# KiCad board rabbit_mask.kicad_pcb (continued)
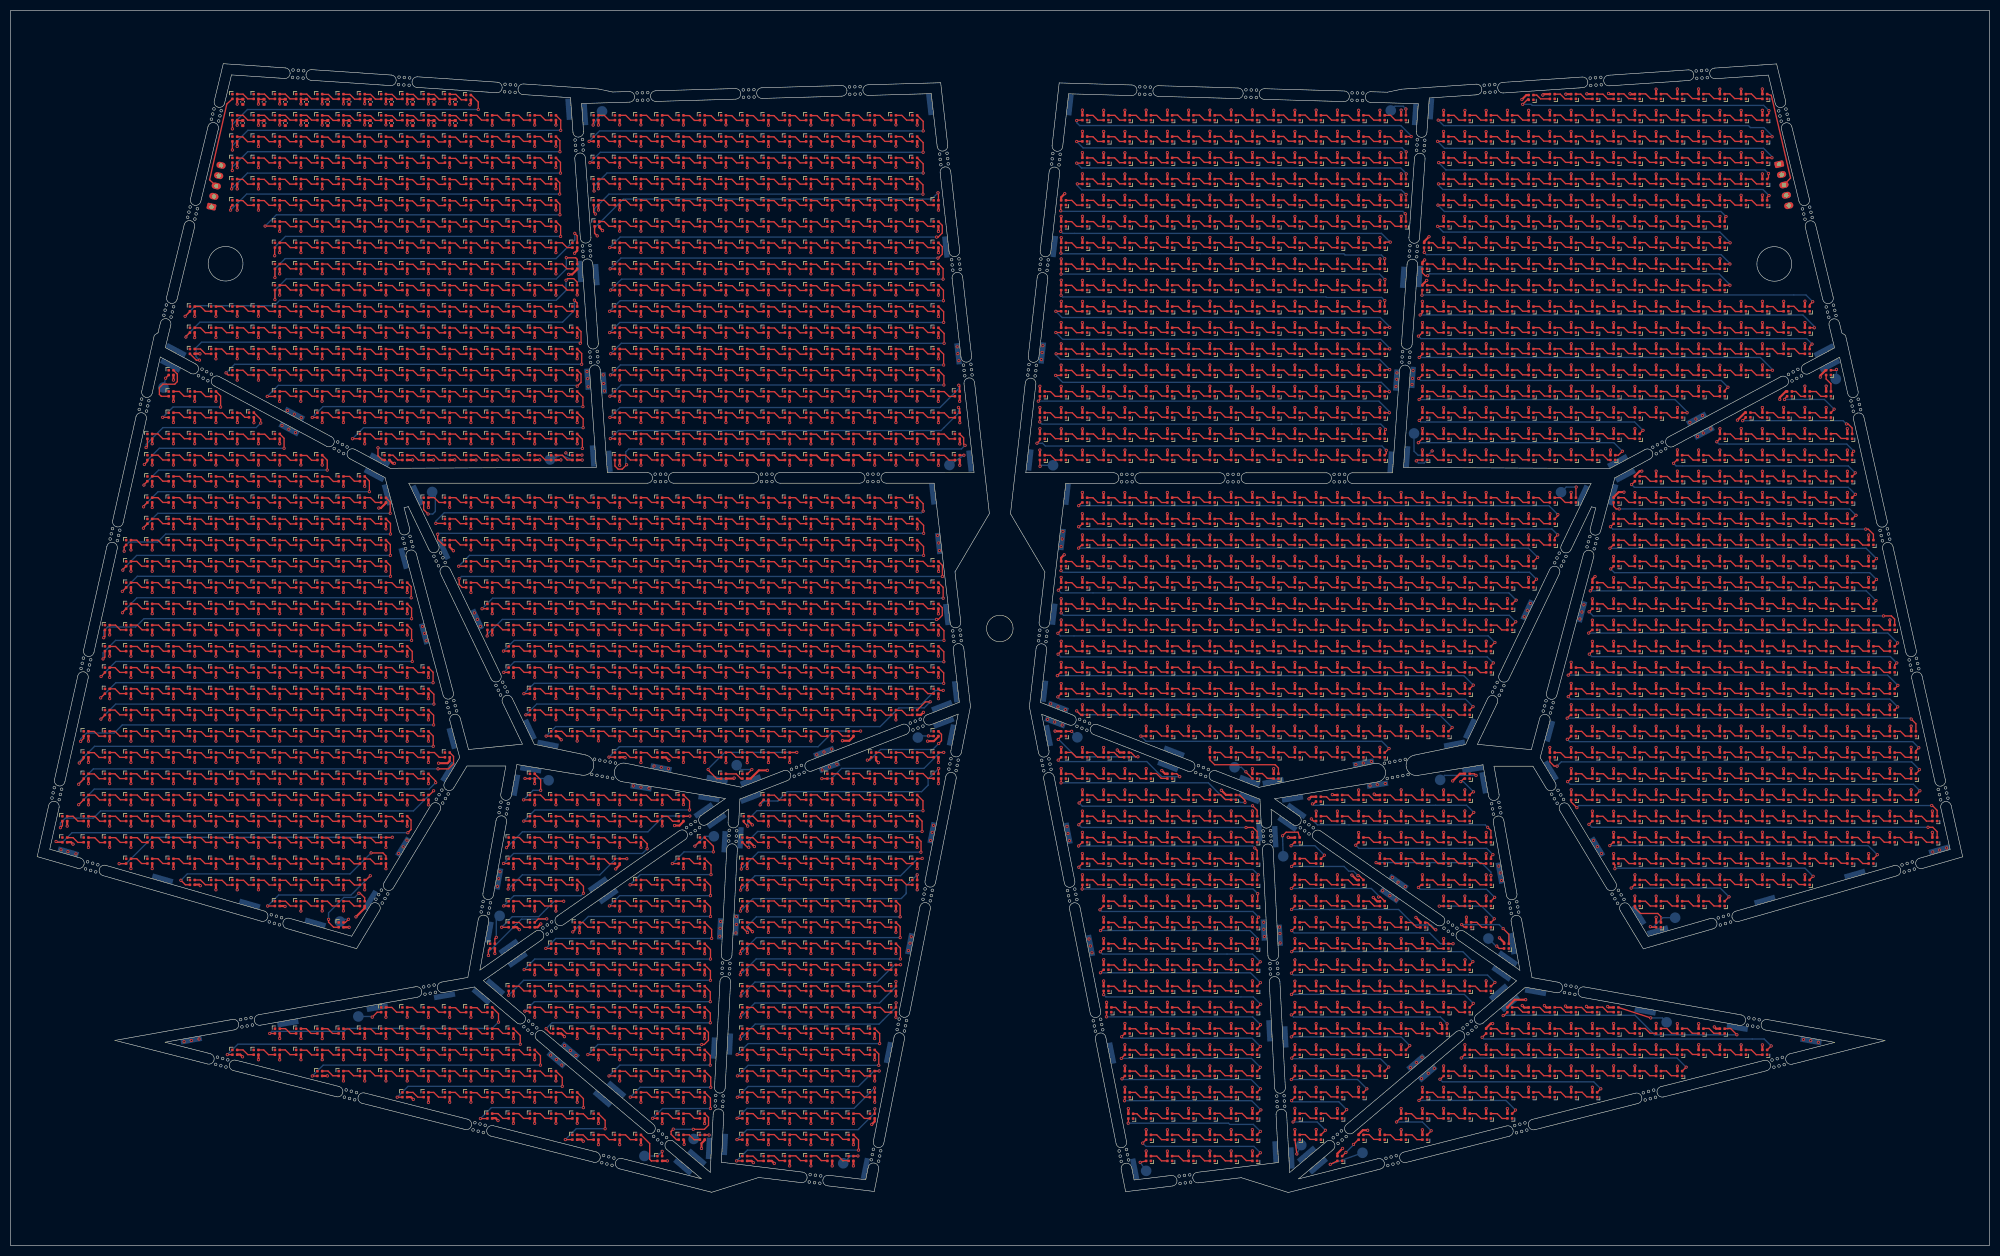
[diagram p0: board, top side]
## Routing (per net, layer and track width the routed paths; a pad name or vN(x,y) marks a point on that pad's centre or on a via; arc(x,y) is an arc through that point) (continued)
Net-(D1983-DIN): length 3.5
  Top w0.25: 286.7,156.85 287.8,156.85 288.7,155.95 289.8,155.95
Net-(D1984-DIN): length 3.5
  Top w0.25: 293.8,155.95 292.7,155.95 291.8,156.85 290.7,156.85
Net-(D1985-DIN): length 3.5
  Top w0.25: 297.7,155.95 296.6,155.95 295.7,156.85 294.6,156.85
Net-(D1986-DIN): length 3.5
  Top w0.25: 298.65,156.85 299.75,156.85 300.65,155.95 301.75,155.95
Net-(D1987-DIN): length 3.5
  Top w0.25: 305.65,155.95 304.55,155.95 303.65,156.85 302.55,156.85
Net-(D1988-DIN): length 3.5
  Top w0.25: 306.6,156.85 307.7,156.85 308.6,155.95 309.7,155.95
Net-(D1989-DIN): length 3.5
  Top w0.25: 310.65,156.8 311.75,156.8 312.65,155.9 313.75,155.9
Net-(D1991-DIN): length 2.4
  Top w0.25: 327.74,156.8 328.33,156.8 329.24,155.9 329.74,155.9
Net-(D1991-DOUT): length 23.2
  Top w0.25: D2030.1 346.65,153.92 345.88,154.69 v1(345.57,154.69) ; D1991.3 326.6,155.89 v1(326.02,155.31)
  Bottom w0.25: v1(326.02,155.31) 344.95,155.31 v1(345.57,154.69)
Net-(D1992-DIN): length 3.5
  Top w0.25: 330.74,156.8 331.84,156.8 332.74,155.9 333.84,155.9
Net-(D1993-DIN): length 3.5
  Top w0.25: 337.84,155.9 336.74,155.9 335.84,156.8 334.74,156.8
Net-(D1994-DIN): length 3.5
  Top w0.25: 341.74,155.9 340.64,155.9 339.74,156.8 338.64,156.8
Net-(D1996-DIN): length 3.5
  Top w0.25: D1996.1 195.75,152.81 196.65,151.91 D1997.3
Net-(D1996-DOUT): length 68.4
  Top w0.25: v1(258.95,149.74) 258.95,149.11 D2047.1 ; v1(193.2,151.06) 193.75,151.61 D1996.3
  Bottom w0.25: v1(193.2,151.06) 194.25,151.06 194.77,150.54 258.15,150.54 v1(258.95,149.74)
Net-(D1997-DIN): length 3.5
  Top w0.25: 198.75,152.81 199.85,152.81 200.75,151.91 201.85,151.91
Net-(D1998-DIN): length 3.5
  Top w0.25: 205.85,151.91 204.75,151.91 203.85,152.81 202.75,152.81
Net-(D1999-DIN): length 3.5
  Top w0.25: D1999.1 207.75,152.81 208.65,151.91 D2000.3
Net-(D2000-DIN): length 3.5
  Top w0.25: 213.7,151.96 212.6,151.96 211.7,152.86 210.6,152.86
Net-(D2001-DIN): length 3.5
  Top w0.25: 214.7,152.86 215.8,152.86 216.7,151.96 217.8,151.96
Net-(D2002-DIN): length 3.5
  Top w0.25: 218.7,152.86 219.8,152.86 220.7,151.96 221.8,151.96
Net-(D2003-DIN): length 3.5
  Top w0.25: 222.6,152.86 223.7,152.86 224.6,151.96 225.7,151.96
Net-(D2004-DIN): length 3.5
  Top w0.25: 226.65,152.86 227.75,152.86 228.65,151.96 229.75,151.96
Net-(D2005-DIN): length 3.5
  Top w0.25: 233.65,151.96 232.55,151.96 231.65,152.86 230.55,152.86
Net-(D2006-DIN): length 3.5
  Top w0.25: 234.6,152.86 235.7,152.86 236.6,151.96 237.7,151.96
Net-(D2007-DIN): length 3.5
  Top w0.25: D2007.1 239.75,152.81 240.65,151.91 D2008.3
Net-(D2008-DIN): length 3.5
  Top w0.25: 242.7,152.81 243.8,152.81 244.7,151.91 245.8,151.91
Net-(D2009-DIN): length 3.5
  Top w0.25: 249.7,151.91 248.6,151.91 247.7,152.81 246.6,152.81
Net-(D2010-DIN): length 3.5
  Top w0.25: D2010.1 251.75,152.81 252.65,151.91 D2011.3
Net-(D2011-DIN): length 3.5
  Top w0.25: 257.75,151.93 256.65,151.93 255.75,152.83 254.65,152.83
Net-(D2013-DIN): length 3.5
  Top w0.25: 266.65,152.8 267.75,152.8 268.65,151.9 269.75,151.9
Net-(D2013-DOUT): length 41.8
  Top w0.25: D2057.1 302.65,148.81 v1(303.4,149.56) ; v1(264.97,151.16) 265.72,151.91 D2013.3
  Bottom w0.25: v1(303.4,149.56) 301.8,151.16 v1(264.97,151.16)
Net-(D2014-DIN): length 3.5
  Top w0.25: 273.85,151.9 272.75,151.9 271.85,152.8 270.75,152.8
Net-(D2015-DIN): length 3.5
  Top w0.25: 274.75,152.8 275.85,152.8 276.75,151.9 277.85,151.9
Net-(D2016-DIN): length 3.5
  Top w0.25: 278.65,152.8 279.75,152.8 280.65,151.9 281.75,151.9
Net-(D2017-DIN): length 3.5
  Top w0.25: 285.7,151.95 284.6,151.95 283.7,152.85 282.6,152.85
Net-(D2018-DIN): length 3.5
  Top w0.25: 289.8,151.95 288.7,151.95 287.8,152.85 286.7,152.85
Net-(D2019-DIN): length 3.5
  Top w0.25: 293.8,151.95 292.7,151.95 291.8,152.85 290.7,152.85
Net-(D2020-DIN): length 3.5
  Top w0.25: 297.7,151.95 296.6,151.95 295.7,152.85 294.6,152.85
Net-(D2021-DIN): length 3.5
  Top w0.25: 298.65,152.85 299.75,152.85 300.65,151.95 301.75,151.95
Net-(D2022-DIN): length 3.5
  Top w0.25: 305.65,151.95 304.55,151.95 303.65,152.85 302.55,152.85
Net-(D2024-DIN): length 3.5
  Top w0.25: 325.75,151.9 324.65,151.9 323.75,152.8 322.65,152.8
Net-(D2024-DOUT): length 28.2
  Top w0.25: v1(346.93,149.56) 346.65,149.29 D2066.1 ; v1(321.18,151.34) D2024.3
  Bottom w0.25: v1(321.18,151.34) 321.6,150.91 345.63,150.91 346.93,149.62 v1(346.93,149.56)
Net-(D2025-DIN): length 3.5
  Top w0.25: 329.74,151.91 328.64,151.91 327.74,152.81 326.64,152.81
Net-(D2026-DIN): length 3.5
  Top w0.25: 333.84,151.91 332.74,151.91 331.84,152.81 330.74,152.81
Net-(D2027-DIN): length 3.5
  Top w0.25: 337.84,151.91 336.74,151.91 335.84,152.81 334.74,152.81
Net-(D2028-DIN): length 3.5
  Top w0.25: 338.64,152.81 339.74,152.81 340.64,151.91 341.74,151.91
Net-(D2029-DIN): length 3.5
  Top w0.25: 345.69,151.96 344.59,151.96 343.69,152.86 342.59,152.86
Net-(D2031-DIN): length 3.5
  Top w0.25: 197.74,147.9 196.64,147.9 195.74,148.8 194.64,148.8
Net-(D2032-DIN): length 3.5
  Top w0.25: 198.74,148.8 199.84,148.8 200.74,147.9 201.84,147.9
Net-(D2033-DIN): length 3.5
  Top w0.25: 205.84,147.9 204.74,147.9 203.84,148.8 202.74,148.8
Net-(D2034-DIN): length 3.5
  Top w0.25: 209.74,147.9 208.64,147.9 207.74,148.8 206.64,148.8
Net-(D2035-DIN): length 3.5
  Top w0.25: 213.69,147.95 212.59,147.95 211.69,148.85 210.59,148.85
Net-(D2036-DIN): length 3.5
  Top w0.25: 214.69,148.85 215.79,148.85 216.69,147.95 217.79,147.95
Net-(D2037-DIN): length 3.5
  Top w0.25: 221.79,147.95 220.69,147.95 219.79,148.85 218.69,148.85
Net-(D2038-DIN): length 3.5
  Top w0.25: 225.69,147.95 224.59,147.95 223.69,148.85 222.59,148.85
Net-(D2039-DIN): length 3.5
  Top w0.25: 226.64,148.85 227.74,148.85 228.64,147.95 229.74,147.95
Net-(D2040-DIN): length 3.5
  Top w0.25: 230.54,148.85 231.64,148.85 232.54,147.95 233.64,147.95
Net-(D2041-DIN): length 3.5
  Top w0.25: 234.59,148.85 235.69,148.85 236.59,147.95 237.69,147.95
Net-(D2042-DIN): length 3.5
  Top w0.25: 238.64,148.8 239.74,148.8 240.64,147.9 241.74,147.9
Net-(D2043-DIN): length 3.5
  Top w0.25: 245.79,147.9 244.69,147.9 243.79,148.8 242.69,148.8
Net-(D2044-DIN): length 3.5
  Top w0.25: 246.59,148.8 247.69,148.8 248.59,147.9 249.69,147.9
Net-(D2045-DIN): length 3.5
  Top w0.25: 253.74,147.9 252.64,147.9 251.74,148.8 250.64,148.8
Net-(D2046-DIN): length 3.5
  Top w0.25: 254.64,148.82 255.74,148.82 256.64,147.92 257.74,147.92
Net-(D2048-DIN): length 3.5
  Top w0.25: 266.65,148.79 267.75,148.79 268.65,147.89 269.75,147.89
Net-(D2049-DIN): length 3.5
  Top w0.25: 270.75,148.79 271.85,148.79 272.75,147.89 273.85,147.89
Net-(D2050-DIN): length 3.5
  Top w0.25: 274.75,148.79 275.85,148.79 276.75,147.89 277.85,147.89
Net-(D2051-DIN): length 3.5
  Top w0.25: 281.75,147.89 280.65,147.89 279.75,148.79 278.65,148.79
Net-(D2052-DIN): length 3.5
  Top w0.25: 282.6,148.84 283.7,148.84 284.6,147.94 285.7,147.94
Net-(D2053-DIN): length 3.5
  Top w0.25: 289.8,147.94 288.7,147.94 287.8,148.84 286.7,148.84
Net-(D2054-DIN): length 3.5
  Top w0.25: 290.7,148.84 291.8,148.84 292.7,147.94 293.8,147.94
Net-(D2055-DIN): length 3.5
  Top w0.25: 297.7,147.94 296.6,147.94 295.7,148.84 294.6,148.84
Net-(D2056-DIN): length 2.9
  Top w0.25: D2057.3 300.68,147.91 299.75,148.84 298.65,148.84
Net-(D2058-DIN): length 3.5
  Top w0.25: 317.8,147.89 316.7,147.89 315.8,148.79 314.7,148.79
Net-(D2058-DOUT): length 36.8
  Top w0.25: D2077.1 347.22,145.39 v1(347.22,145.49) ; D2058.3 313.65,147.91 v1(313.02,147.29)
  Bottom w0.25: v1(313.02,147.29) 313.52,146.79 345.93,146.79 v1(347.22,145.49)
Net-(D2059-DIN): length 3.5
  Top w0.25: 318.6,148.79 319.7,148.79 320.6,147.89 321.7,147.89
Net-(D2060-DIN): length 3.5
  Top w0.25: 322.65,148.79 323.75,148.79 324.65,147.89 325.75,147.89
Net-(D2061-DIN): length 3.5
  Top w0.25: 326.64,148.82 327.74,148.82 328.64,147.92 329.74,147.92
Net-(D2062-DIN): length 3.5
  Top w0.25: 330.74,148.82 331.84,148.82 332.74,147.92 333.84,147.92
Net-(D2063-DIN): length 3.5
  Top w0.25: 334.74,148.82 335.84,148.82 336.74,147.92 337.84,147.92
Net-(D2064-DIN): length 3.5
  Top w0.25: 341.74,147.92 340.64,147.92 339.74,148.82 338.64,148.82
Net-(D2065-DIN): length 3.5
  Top w0.25: 345.69,147.97 344.59,147.97 343.69,148.87 342.59,148.87
Net-(D2067-DIN): length 3.5
  Top w0.25: 306.65,144.8 307.75,144.8 308.65,143.9 309.75,143.9
Net-(D2067-DOUT): length 44.6
  Top w0.25: D2113.1 346.65,140.84 v1(347.25,141.44) ; v1(305.12,143.29) D2067.3
  Bottom w0.25: v1(305.12,143.29) 305.65,142.76 345.93,142.76 v1(347.25,141.44)
Net-(D2068-DIN): length 3.5
  Top w0.25: 313.85,143.9 312.75,143.9 311.85,144.8 310.75,144.8
Net-(D2069-DIN): length 3.5
  Top w0.25: 317.85,143.9 316.75,143.9 315.85,144.8 314.75,144.8
Net-(D2070-DIN): length 3.5
  Top w0.25: 321.75,143.9 320.65,143.9 319.75,144.8 318.65,144.8
Net-(D2071-DIN): length 3.5
  Top w0.25: 322.6,144.85 323.7,144.85 324.6,143.95 325.7,143.95
Net-(D2072-DIN): length 3.5
  Top w0.25: 326.7,144.85 327.8,144.85 328.7,143.95 329.8,143.95
Net-(D2073-DIN): length 3.5
  Top w0.25: 333.8,143.95 332.7,143.95 331.8,144.85 330.7,144.85
Net-(D2074-DIN): length 3.5
  Top w0.25: 334.6,144.85 335.7,144.85 336.6,143.95 337.7,143.95
Net-(D2075-DIN): length 3.5
  Top w0.25: 341.75,143.95 340.65,143.95 339.75,144.85 338.65,144.85
Net-(D2076-DIN): length 3.5
  Top w0.25: 342.55,144.85 343.65,144.85 344.55,143.95 345.65,143.95
Net-(D2078-DIN): length 3.5
  Top w0.25: 205.74,139.9 204.64,139.9 203.74,140.8 202.64,140.8
Net-(D2078-DOUT): length 92.9
  Top w0.25: D2078.3 201.65,139.91 v1(201.05,139.31) ; v1(291.25,137.64) 291.25,137.41 D2136.1
  Bottom w0.25: v1(291.25,137.64) 289.57,139.31 v1(201.05,139.31)
Net-(D2079-DIN): length 3.5
  Top w0.25: 206.74,140.8 207.84,140.8 208.74,139.9 209.84,139.9
Net-(D2080-DIN): length 3.5
  Top w0.25: 210.74,140.8 211.84,140.8 212.74,139.9 213.84,139.9
Net-(D2081-DIN): length 3.5
  Top w0.25: 217.74,139.9 216.64,139.9 215.74,140.8 214.64,140.8
Net-(D2082-DIN): length 3.5
  Top w0.25: 221.69,139.95 220.59,139.95 219.69,140.85 218.59,140.85
Net-(D2083-DIN): length 3.5
  Top w0.25: 222.69,140.85 223.79,140.85 224.69,139.95 225.79,139.95
Net-(D2084-DIN): length 3.5
  Top w0.25: 226.69,140.85 227.79,140.85 228.69,139.95 229.79,139.95
Net-(D2085-DIN): length 3.5
  Top w0.25: 230.59,140.85 231.69,140.85 232.59,139.95 233.69,139.95
Net-(D2086-DIN): length 3.5
  Top w0.25: 234.64,140.85 235.74,140.85 236.64,139.95 237.74,139.95
Net-(D2087-DIN): length 3.5
  Top w0.25: 241.64,139.95 240.54,139.95 239.64,140.85 238.54,140.85
Net-(D2088-DIN): length 3.5
  Top w0.25: 245.69,139.95 244.59,139.95 243.69,140.85 242.59,140.85
Net-(D2089-DIN): length 3.5
  Top w0.25: 249.74,139.9 248.64,139.9 247.74,140.8 246.64,140.8
Net-(D2090-DIN): length 3.5
  Top w0.25: 250.69,140.8 251.79,140.8 252.69,139.9 253.79,139.9
Net-(D2091-DIN): length 3.5
  Top w0.25: 257.69,139.9 256.59,139.9 255.69,140.8 254.59,140.8
Net-(D2092-DIN): length 3.5
  Top w0.25: 258.64,140.8 259.74,140.8 260.64,139.9 261.74,139.9
Net-(D2093-DIN): length 3.5
  Top w0.25: D2094.3 264.65,139.91 263.75,140.81 D2093.1
Net-(D2094-DIN): length 3.5
  Top w0.25: 269.8,139.91 268.7,139.91 267.8,140.81 266.7,140.81
Net-(D2095-DIN): length 3.5
  Top w0.25: 270.6,140.81 271.7,140.81 272.6,139.91 273.7,139.91
Net-(D2096-DIN): length 3.5
  Top w0.25: D2096.1 275.75,140.81 276.65,139.91 D2097.3
Net-(D2097-DIN): length 3.5
  Top w0.25: 278.64,140.81 279.74,140.81 280.64,139.91 281.74,139.91
Net-(D2098-DIN): length 3.5
  Top w0.25: 282.69,140.81 283.79,140.81 284.69,139.91 285.79,139.91
Net-(D2099-DIN): length 3.5
  Top w0.25: 289.69,139.91 288.59,139.91 287.69,140.81 286.59,140.81
Net-(D2100-DIN): length 3.5
  Top w0.25: 293.74,139.91 292.64,139.91 291.74,140.81 290.64,140.81
Net-(D2102-DIN): length 3.5
  Top w0.25: 305.74,139.91 304.64,139.91 303.74,140.81 302.64,140.81
Net-(D2102-DOUT): length 48.1
  Top w0.25: D2102.3 301.75,139.16 302.22,138.69 v1(302.8,138.69) ; v1(347.38,137.49) 347.32,137.49 D2148.1
  Bottom w0.25: v1(302.8,138.69) 346.18,138.69 v1(347.38,137.49)
Net-(D2103-DIN): length 3.5
  Top w0.25: 309.84,139.91 308.74,139.91 307.84,140.81 306.74,140.81
Net-(D2104-DIN): length 3.5
  Top w0.25: 313.84,139.91 312.74,139.91 311.84,140.81 310.74,140.81
Net-(D2105-DIN): length 3.5
  Top w0.25: 314.64,140.81 315.74,140.81 316.64,139.91 317.74,139.91
Net-(D2106-DIN): length 3.5
  Top w0.25: 321.69,139.96 320.59,139.96 319.69,140.86 318.59,140.86
Net-(D2107-DIN): length 3.5
  Top w0.25: 325.79,139.96 324.69,139.96 323.79,140.86 322.69,140.86
Net-(D2108-DIN): length 3.5
  Top w0.25: 326.69,140.86 327.79,140.86 328.69,139.96 329.79,139.96
Net-(D2109-DIN): length 3.5
  Top w0.25: 333.69,139.96 332.59,139.96 331.69,140.86 330.59,140.86
Net-(D2110-DIN): length 3.5
  Top w0.25: 334.64,140.86 335.74,140.86 336.64,139.96 337.74,139.96
Net-(D2111-DIN): length 3.5
  Top w0.25: 341.64,139.96 340.54,139.96 339.64,140.86 338.54,140.86
Net-(D2112-DIN): length 3.5
  Top w0.25: 342.59,140.86 343.69,140.86 344.59,139.96 345.69,139.96
Net-(D2114-DIN): length 3.5
  Top w0.25: 205.74,135.9 204.64,135.9 203.74,136.8 202.64,136.8
Net-(D2114-DOUT): length 93
  Top w0.25: D2114.3 201.17,135.34 v1(201.02,135.34) ; v1(291.22,133.81) 290.65,133.24 D2171.1
  Bottom w0.25: v1(201.02,135.34) 201.45,134.91 290.12,134.91 v1(291.22,133.81)
Net-(D2115-DIN): length 3.5
  Top w0.25: 206.74,136.8 207.84,136.8 208.74,135.9 209.84,135.9
Net-(D2116-DIN): length 3.5
  Top w0.25: 210.74,136.8 211.84,136.8 212.74,135.9 213.84,135.9
Net-(D2117-DIN): length 3.5
  Top w0.25: 214.64,136.8 215.74,136.8 216.64,135.9 217.74,135.9
Net-(D2118-DIN): length 3.5
  Top w0.25: 221.69,135.95 220.59,135.95 219.69,136.85 218.59,136.85
Net-(D2119-DIN): length 3.5
  Top w0.25: 222.69,136.85 223.79,136.85 224.69,135.95 225.79,135.95
Net-(D2120-DIN): length 3.5
  Top w0.25: 229.79,135.95 228.69,135.95 227.79,136.85 226.69,136.85
Net-(D2121-DIN): length 3.5
  Top w0.25: 233.69,135.95 232.59,135.95 231.69,136.85 230.59,136.85
Net-(D2122-DIN): length 3.5
  Top w0.25: 234.64,136.85 235.74,136.85 236.64,135.95 237.74,135.95
Net-(D2123-DIN): length 3.5
  Top w0.25: 238.54,136.85 239.64,136.85 240.54,135.95 241.64,135.95
Net-(D2124-DIN): length 3.5
  Top w0.25: 242.59,136.85 243.69,136.85 244.59,135.95 245.69,135.95
Net-(D2125-DIN): length 3.5
  Top w0.25: 249.74,135.9 248.64,135.9 247.74,136.8 246.64,136.8
Net-(D2126-DIN): length 3.5
  Top w0.25: 250.69,136.8 251.79,136.8 252.69,135.9 253.79,135.9
Net-(D2127-DIN): length 3.5
  Top w0.25: 254.59,136.8 255.69,136.8 256.59,135.9 257.69,135.9
Net-(D2128-DIN): length 3.5
  Top w0.25: 261.74,135.9 260.64,135.9 259.74,136.8 258.64,136.8
Net-(D2129-DIN): length 3.5
  Top w0.25: 262.65,136.8 263.75,136.8 264.65,135.9 265.75,135.9
Net-(D2130-DIN): length 3.5
  Top w0.25: 269.8,135.9 268.7,135.9 267.8,136.8 266.7,136.8
Net-(D2131-DIN): length 3.5
  Top w0.25: 270.6,136.8 271.7,136.8 272.6,135.9 273.7,135.9
Net-(D2132-DIN): length 3.5
  Top w0.25: 277.75,135.9 276.65,135.9 275.75,136.8 274.65,136.8
Net-(D2133-DIN): length 3.5
  Top w0.25: D2134.3 280.65,135.91 279.75,136.81 D2133.1
Net-(D2134-DIN): length 3.5
  Top w0.25: 285.8,135.91 284.7,135.91 283.8,136.81 282.7,136.81
Net-(D2135-DIN): length 3.5
  Top w0.25: 286.6,136.81 287.7,136.81 288.6,135.91 289.7,135.91
Net-(D2137-DIN): length 3.5
  Top w0.25: 302.64,136.81 303.74,136.81 304.64,135.91 305.74,135.91
Net-(D2137-DOUT): length 52
  Top w0.25: D2184.1 350.65,133.91 349.68,134.89 v1(349.2,134.89) ; D2137.3 301.18,135.34 v1(301.15,135.34)
  Bottom w0.25: v1(301.15,135.34) 301.6,134.89 v1(349.2,134.89)
Net-(D2138-DIN): length 3.5
  Top w0.25: 309.84,135.91 308.74,135.91 307.84,136.81 306.74,136.81
Net-(D2139-DIN): length 3.5
  Top w0.25: 313.84,135.91 312.74,135.91 311.84,136.81 310.74,136.81
Net-(D2140-DIN): length 3.5
  Top w0.25: 314.64,136.81 315.74,136.81 316.64,135.91 317.74,135.91
Net-(D2141-DIN): length 3.5
  Top w0.25: 321.69,135.96 320.59,135.96 319.69,136.86 318.59,136.86
Net-(D2142-DIN): length 3.5
  Top w0.25: 325.79,135.96 324.69,135.96 323.79,136.86 322.69,136.86
Net-(D2143-DIN): length 3.5
  Top w0.25: 329.79,135.96 328.69,135.96 327.79,136.86 326.69,136.86
Net-(D2144-DIN): length 3.5
  Top w0.25: 333.69,135.96 332.59,135.96 331.69,136.86 330.59,136.86
Net-(D2145-DIN): length 3.5
  Top w0.25: 337.74,135.96 336.64,135.96 335.74,136.86 334.64,136.86
Net-(D2146-DIN): length 3.5
  Top w0.25: 341.64,135.96 340.54,135.96 339.64,136.86 338.54,136.86
Net-(D2147-DIN): length 3.5
  Top w0.25: 342.59,136.86 343.69,136.86 344.59,135.96 345.69,135.96
Net-(D2149-DIN): length 3.5
  Top w0.25: 205.74,131.89 204.64,131.89 203.74,132.79 202.64,132.79
Net-(D2149-DOUT): length 89.2
  Top w0.25: D2207.1 287.43,129.59 v1(287.45,129.59) ; D2149.3 201.62,131.91 v1(201.02,131.31)
  Bottom w0.25: v1(287.45,129.59) 285.72,131.31 v1(201.02,131.31)
Net-(D2150-DIN): length 3.5
  Top w0.25: 206.74,132.79 207.84,132.79 208.74,131.89 209.84,131.89
Net-(D2151-DIN): length 3.5
  Top w0.25: 213.84,131.89 212.74,131.89 211.84,132.79 210.74,132.79
Net-(D2152-DIN): length 3.5
  Top w0.25: 214.64,132.79 215.74,132.79 216.64,131.89 217.74,131.89
Net-(D2153-DIN): length 3.5
  Top w0.25: 218.59,132.84 219.69,132.84 220.59,131.94 221.69,131.94
Net-(D2154-DIN): length 3.5
  Top w0.25: 225.79,131.94 224.69,131.94 223.79,132.84 222.69,132.84
Net-(D2155-DIN): length 3.5
  Top w0.25: 229.79,131.94 228.69,131.94 227.79,132.84 226.69,132.84
Net-(D2156-DIN): length 3.5
  Top w0.25: 233.69,131.94 232.59,131.94 231.69,132.84 230.59,132.84
Net-(D2157-DIN): length 3.5
  Top w0.25: 237.74,131.94 236.64,131.94 235.74,132.84 234.64,132.84
Net-(D2158-DIN): length 3.5
  Top w0.25: 238.54,132.84 239.64,132.84 240.54,131.94 241.64,131.94
Net-(D2159-DIN): length 3.5
  Top w0.25: 242.59,132.84 243.69,132.84 244.59,131.94 245.69,131.94
Net-(D2160-DIN): length 3.5
  Top w0.25: 246.64,132.79 247.74,132.79 248.64,131.89 249.74,131.89
Net-(D2161-DIN): length 3.5
  Top w0.25: 250.69,132.79 251.79,132.79 252.69,131.89 253.79,131.89
Net-(D2162-DIN): length 3.5
  Top w0.25: 257.69,131.89 256.59,131.89 255.69,132.79 254.59,132.79
Net-(D2163-DIN): length 3.5
  Top w0.25: 258.64,132.79 259.74,132.79 260.64,131.89 261.74,131.89
Net-(D2164-DIN): length 3.5
  Top w0.25: D2164.1 263.75,132.81 264.65,131.91 D2165.3
Net-(D2165-DIN): length 3.5
  Top w0.25: 269.8,131.91 268.7,131.91 267.8,132.81 266.7,132.81
Net-(D2166-DIN): length 3.5
  Top w0.25: 273.7,131.91 272.6,131.91 271.7,132.81 270.6,132.81
Net-(D2167-DIN): length 3.5
  Top w0.25: D2168.3 276.65,131.91 275.75,132.81 D2167.1
Net-(D2168-DIN): length 3.5
  Top w0.25: 278.65,132.8 279.75,132.8 280.65,131.9 281.75,131.9
Net-(D2169-DIN): length 3.5
  Top w0.25: 282.7,132.8 283.8,132.8 284.7,131.9 285.8,131.9
Net-(D2170-DIN): length 3.5
  Top w0.25: 289.7,131.9 288.6,131.9 287.7,132.8 286.6,132.8
Net-(D2172-DIN): length 3.5
  Top w0.25: 302.64,132.79 303.74,132.79 304.64,131.89 305.74,131.89
Net-(D2172-DOUT): length 52.7
  Top w0.25: D2172.3 301.68,131.91 v1(301.05,131.29) ; D2220.1 351.18,129.34 v1(351.22,129.34)
  Bottom w0.25: v1(301.05,131.29) 349.27,131.29 v1(351.22,129.34)
Net-(D2173-DIN): length 3.5
  Top w0.25: 306.74,132.79 307.84,132.79 308.74,131.89 309.84,131.89
Net-(D2174-DIN): length 3.5
  Top w0.25: 310.74,132.79 311.84,132.79 312.74,131.89 313.84,131.89
Net-(D2175-DIN): length 3.5
  Top w0.25: 314.64,132.79 315.74,132.79 316.64,131.89 317.74,131.89
Net-(D2176-DIN): length 3.5
  Top w0.25: 318.59,132.84 319.69,132.84 320.59,131.94 321.69,131.94
Net-(D2177-DIN): length 3.5
  Top w0.25: 322.69,132.84 323.79,132.84 324.69,131.94 325.79,131.94
Net-(D2178-DIN): length 3.5
  Top w0.25: 329.79,131.94 328.69,131.94 327.79,132.84 326.69,132.84
Net-(D2179-DIN): length 3.5
  Top w0.25: 333.69,131.94 332.59,131.94 331.69,132.84 330.59,132.84
Net-(D2180-DIN): length 3.5
  Top w0.25: 337.74,131.94 336.64,131.94 335.74,132.84 334.64,132.84
Net-(D2181-DIN): length 3.5
  Top w0.25: 338.54,132.84 339.64,132.84 340.54,131.94 341.64,131.94
Net-(D2182-DIN): length 3.5
  Top w0.25: 345.69,131.94 344.59,131.94 343.69,132.84 342.59,132.84
Net-(D2183-DIN): length 3.5
  Top w0.25: 346.64,132.79 347.74,132.79 348.64,131.89 349.74,131.89
Net-(D2185-DIN): length 3.5
  Top w0.25: 201.75,127.89 200.65,127.89 199.75,128.79 198.65,128.79
Net-(D2185-DOUT): length 91.9
  Top w0.25: v1(197.72,127.06) 197.72,127.89 D2185.3 ; v1(287.22,125.46) 286.65,124.89 D2243.1
  Bottom w0.25: v1(197.72,127.06) 198.02,126.76 285.93,126.76 v1(287.22,125.46)
Net-(D2186-DIN): length 3.5
  Top w0.25: 202.75,128.79 203.85,128.79 204.75,127.89 205.85,127.89
Net-(D2187-DIN): length 3.5
  Top w0.25: 209.85,127.89 208.75,127.89 207.85,128.79 206.75,128.79
Net-(D2188-DIN): length 3.5
  Top w0.25: 213.75,127.89 212.65,127.89 211.75,128.79 210.65,128.79
Net-(D2189-DIN): length 3.5
  Top w0.25: 214.6,128.84 215.7,128.84 216.6,127.94 217.7,127.94
Net-(D2190-DIN): length 3.5
  Top w0.25: 221.8,127.94 220.7,127.94 219.8,128.84 218.7,128.84
Net-(D2191-DIN): length 3.5
  Top w0.25: 225.8,127.94 224.7,127.94 223.8,128.84 222.7,128.84
Net-(D2192-DIN): length 3.5
  Top w0.25: 226.6,128.84 227.7,128.84 228.6,127.94 229.7,127.94
Net-(D2193-DIN): length 3.5
  Top w0.25: 233.75,127.94 232.65,127.94 231.75,128.84 230.65,128.84
Net-(D2194-DIN): length 3.5
  Top w0.25: 234.55,128.84 235.65,128.84 236.55,127.94 237.65,127.94
Net-(D2195-DIN): length 3.5
  Top w0.25: 238.6,128.84 239.7,128.84 240.6,127.94 241.7,127.94
Net-(D2196-DIN): length 3.5
  Top w0.25: 242.65,128.79 243.75,128.79 244.65,127.89 245.75,127.89
Net-(D2197-DIN): length 3.5
  Top w0.25: 249.8,127.89 248.7,127.89 247.8,128.79 246.7,128.79
Net-(D2198-DIN): length 3.5
  Top w0.25: 253.7,127.89 252.6,127.89 251.7,128.79 250.6,128.79
Net-(D2199-DIN): length 3.5
  Top w0.25: 257.75,127.89 256.65,127.89 255.75,128.79 254.65,128.79
Net-(D2200-DIN): length 3.5
  Top w0.25: 261.74,127.9 260.64,127.9 259.74,128.8 258.64,128.8
Net-(D2201-DIN): length 3.5
  Top w0.25: 265.79,127.9 264.69,127.9 263.79,128.8 262.69,128.8
Net-(D2202-DIN): length 3.5
  Top w0.25: 266.59,128.8 267.69,128.8 268.59,127.9 269.69,127.9
Net-(D2203-DIN): length 3.5
  Top w0.25: 270.64,128.8 271.74,128.8 272.64,127.9 273.74,127.9
Net-(D2204-DIN): length 3.5
  Top w0.25: 277.76,127.91 276.66,127.91 275.76,128.81 274.66,128.81
Net-(D2205-DIN): length 3.5
  Top w0.25: 281.81,127.91 280.71,127.91 279.81,128.81 278.71,128.81
Net-(D2206-DIN): length 3.5
  Top w0.25: 285.71,127.91 284.61,127.91 283.71,128.81 282.61,128.81
Net-(D2208-DIN): length 3.5
  Top w0.25: 305.74,127.9 304.64,127.9 303.74,128.8 302.64,128.8
Net-(D2208-DOUT): length 52.4
  Top w0.25: D2208.3 301.22,127.39 v1(301.2,127.39) ; v1(351.22,125.41) 350.65,124.84 D2257.1
  Bottom w0.25: v1(351.22,125.41) 349.95,126.69 301.9,126.69 v1(301.2,127.39)
Net-(D2209-DIN): length 3.5
  Top w0.25: 306.74,128.8 307.84,128.8 308.74,127.9 309.84,127.9
Net-(D2210-DIN): length 3.5
  Top w0.25: 310.74,128.8 311.84,128.8 312.74,127.9 313.84,127.9
Net-(D2211-DIN): length 3.5
  Top w0.25: 317.74,127.9 316.64,127.9 315.74,128.8 314.64,128.8
Net-(D2212-DIN): length 3.5
  Top w0.25: 321.69,127.95 320.59,127.95 319.69,128.85 318.59,128.85
Net-(D2213-DIN): length 3.5
  Top w0.25: 325.79,127.95 324.69,127.95 323.79,128.85 322.69,128.85
Net-(D2214-DIN): length 3.5
  Top w0.25: 329.79,127.95 328.69,127.95 327.79,128.85 326.69,128.85
Net-(D2215-DIN): length 3.5
  Top w0.25: 333.69,127.95 332.59,127.95 331.69,128.85 330.59,128.85
Net-(D2216-DIN): length 3.5
  Top w0.25: 337.74,127.95 336.64,127.95 335.74,128.85 334.64,128.85
Net-(D2217-DIN): length 3.5
  Top w0.25: 338.54,128.85 339.64,128.85 340.54,127.95 341.64,127.95
Net-(D2218-DIN): length 3.5
  Top w0.25: 342.59,128.85 343.69,128.85 344.59,127.95 345.69,127.95
Net-(D2219-DIN): length 3.5
  Top w0.25: 346.64,128.8 347.74,128.8 348.64,127.9 349.74,127.9
Net-(D2221-DIN): length 3.5
  Top w0.25: 201.76,123.9 200.66,123.9 199.76,124.8 198.66,124.8
Net-(D2221-DOUT): length 88.7
  Top w0.25: D2221.3 v1(197.22,123.39) ; v1(283.4,121.51) 283.35,121.51 D2279.1
  Bottom w0.25: v1(197.22,123.39) 197.72,122.89 282.02,122.89 v1(283.4,121.51)
Net-(D2222-DIN): length 3.5
  Top w0.25: 205.86,123.9 204.76,123.9 203.86,124.8 202.76,124.8
Net-(D2223-DIN): length 3.5
  Top w0.25: 206.76,124.8 207.86,124.8 208.76,123.9 209.86,123.9
Net-(D2224-DIN): length 3.5
  Top w0.25: 213.76,123.9 212.66,123.9 211.76,124.8 210.66,124.8
Net-(D2225-DIN): length 3.5
  Top w0.25: 214.61,124.85 215.71,124.85 216.61,123.95 217.71,123.95
Net-(D2226-DIN): length 3.5
  Top w0.25: 218.71,124.85 219.81,124.85 220.71,123.95 221.81,123.95
Net-(D2227-DIN): length 3.5
  Top w0.25: 225.81,123.95 224.71,123.95 223.81,124.85 222.71,124.85
Net-(D2228-DIN): length 3.5
  Top w0.25: 226.61,124.85 227.71,124.85 228.61,123.95 229.71,123.95
Net-(D2229-DIN): length 3.5
  Top w0.25: 233.76,123.95 232.66,123.95 231.76,124.85 230.66,124.85